# KiCad board knobby_8_layer_12_coils_60_leds_70x20_complete.kicad_pcb (continued)
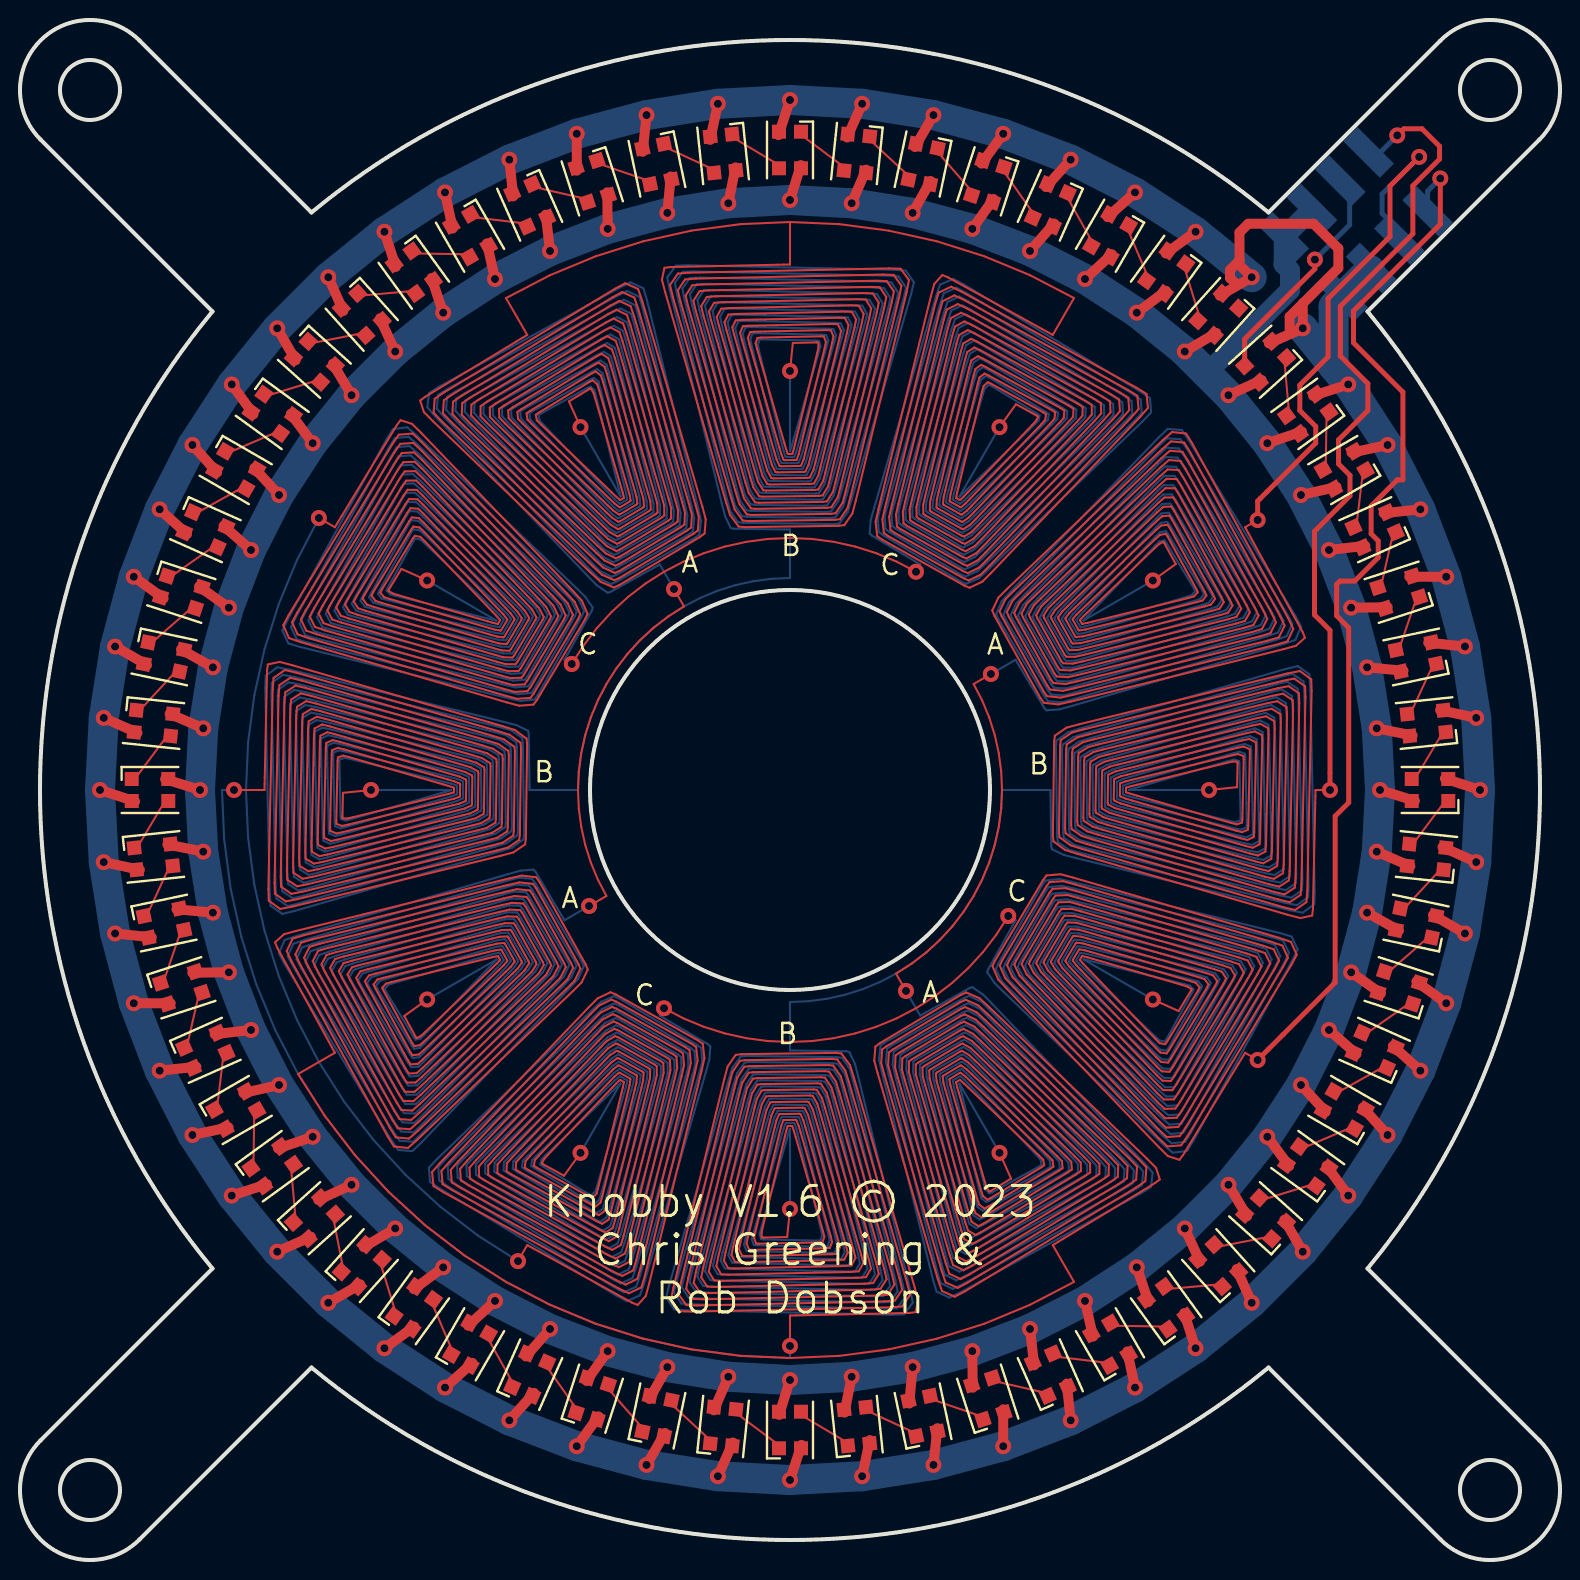
[diagram p0: board, top side]
## Routing (per net, layer and track width the routed paths; a pad name or vN(x,y) marks a point on that pad's centre or on a via; arc(x,y) is an arc through that point) (continued)
  In2.Cu w0.102: v1(38.5,59.45) 38.64,60.85 39.85,60.88 39.92,60.87 39.92,60.62 39.86,60.35 38.76,55.83 38.69,55.57 38.62,55.31 38.6,55.3 38.4,55.3 38.38,55.31 38.3,55.57 38.22,55.85 36.85,60.56 36.78,60.84 36.87,61.1 37.04,61.12 40.03,61.18 40.2,61.17 40.3,60.9 40.23,60.6 39.01,55.59 38.94,55.3 38.84,55.02 38.8,55 38.22,54.99 38.18,55.01 38.06,55.3 37.97,55.6 36.47,60.8 36.39,61.1 36.51,61.39 36.72,61.42 40.34,61.49 40.55,61.48 40.67,61.18 40.61,60.86 39.26,55.35 39.18,55.03 39.05,54.72 38.99,54.7 38.04,54.69 37.98,54.71 37.83,55.02 37.73,55.35 36.09,61.03 36,61.37 36.15,61.69 36.39,61.71 40.65,61.8 40.9,61.79 41.05,61.46 40.98,61.11 39.51,55.11 39.42,54.76 39.27,54.42 39.19,54.4 37.86,54.38 37.77,54.4 37.6,54.74 37.49,55.11 35.7,61.27 35.61,61.63 35.79,61.98 36.07,62.01 40.96,62.11 41.24,62.1 41.43,61.74 41.35,61.36 39.77,54.87 39.67,54.49 39.49,54.12 39.38,54.1 37.67,54.08 37.57,54.1 37.37,54.47 37.25,54.86 35.32,61.51 35.22,61.9 35.43,62.27 35.74,62.3 41.27,62.42 41.59,62.41 41.81,62.02 41.72,61.61 40.02,54.63 39.91,54.22 39.7,53.83 39.57,53.8 37.49,53.78 37.36,53.8 37.13,54.19 37,54.61 34.94,61.74 34.84,62.16 35.06,62.57 35.42,62.6 41.59,62.73 41.94,62.71 42.18,62.31 42.09,61.87 40.27,54.39 40.16,53.95 39.92,53.53 39.77,53.5 37.31,53.47 37.16,53.49 36.9,53.91 36.76,54.36 34.55,61.98 34.45,62.43 34.7,62.86 35.09,62.89 41.9,63.04 42.29,63.02 42.56,62.59 42.47,62.12 40.52,54.14 40.4,53.68 40.13,53.23 39.96,53.21 37.13,53.17 36.95,53.19 36.67,53.64 36.52,54.11 34.17,62.22 34.06,62.69 34.34,63.15 34.77,63.19 42.21,63.35 42.64,63.33 42.94,62.87 42.84,62.37 40.77,53.9 40.64,53.41 40.35,52.93 40.16,52.91 36.95,52.86 36.75,52.89 36.43,53.36 36.28,53.86 33.79,62.45 33.67,62.96 33.98,63.44 34.44,63.48 42.52,63.65 42.99,63.64 43.32,63.15 43.21,62.62 41.03,53.66 40.89,53.14 40.57,52.64 40.35,52.61 36.76,52.56 36.55,52.58 36.2,53.08 36.04,53.62 33.41,62.69 33.28,63.22 33.62,63.74 34.12,63.78 42.83,63.96 43.34,63.95 43.69,63.43 43.58,62.88 41.28,53.42 41.13,52.87 40.78,52.34 40.54,52.31 36.58,52.25 36.34,52.28 35.97,52.81 35.79,53.37 33.02,62.93 32.89,63.49 33.26,64.03 33.8,64.07 43.14,64.27 43.69,64.25 44.07,63.71 43.96,63.13 41.53,53.18 41.37,52.6 41,52.04 40.74,52.01 36.4,51.95 36.14,51.98 35.73,52.53 35.55,53.12 32.64,63.16 32.5,63.75 32.89,64.32 33.47,64.37 43.46,64.58 44.03,64.56 44.45,63.99 44.33,63.38 41.78,52.94 41.62,52.33 41.22,51.74 40.93,51.71 36.22,51.64 35.93,51.67 35.5,52.25 35.31,52.87 32.26,63.4 32.1,64.02 32.22,64.61 32.53,64.65 38.5,64.78 38.5,66.9 ; 38.5,66.9 40.98,66.79 43.43,66.47 45.85,65.93 48.21,65.19 50.5,64.24 52.7,63.1 51.64,61.26 46.4,64.13 46.12,64.25 45.71,63.8 45.54,63.18 42.92,52.54 42.78,51.91 42.86,51.19 43.1,51.02 47.21,48.72 47.47,48.61 48.11,48.92 48.56,49.36 55.99,57.13 56.4,57.6 56.32,58.3 55.83,58.61 47.08,63.41 46.56,63.67 45.93,63.37 45.76,62.79 43.25,52.64 43.12,52.03 43.19,51.35 43.41,51.2 47.19,49.08 47.44,48.98 48.04,49.27 48.47,49.7 55.54,57.1 55.93,57.55 55.87,58.21 55.41,58.5 47.21,63 46.72,63.23 46.13,62.94 45.97,62.39 43.59,52.73 43.46,52.16 43.52,51.51 43.72,51.37 47.17,49.44 47.4,49.34 47.96,49.63 48.37,50.03 55.09,57.07 55.46,57.49 55.41,58.12 54.98,58.39 47.34,62.58 46.89,62.8 46.34,62.52 46.18,62 43.92,52.82 43.8,52.28 43.85,51.67 44.03,51.54 47.16,49.79 47.36,49.71 47.89,49.98 48.27,50.37 54.64,57.04 54.99,57.44 54.96,58.03 54.56,58.27 47.48,62.16 47.06,62.36 46.54,62.1 46.4,61.6 44.26,52.92 44.14,52.4 44.18,51.83 44.33,51.71 47.14,50.15 47.32,50.08 47.81,50.34 48.17,50.7 54.19,57 54.53,57.38 54.5,57.93 54.14,58.16 47.61,61.74 47.22,61.93 46.75,61.67 46.61,61.2 44.59,53.01 44.48,52.53 44.51,51.99 44.64,51.89 47.12,50.5 47.28,50.44 47.73,50.69 48.07,51.04 53.75,56.97 54.06,57.33 54.04,57.84 53.71,58.05 47.75,61.33 47.39,61.49 46.95,61.25 46.82,60.81 44.93,53.1 44.82,52.65 44.83,52.15 44.95,52.06 47.1,50.86 47.24,50.81 47.66,51.05 47.98,51.37 53.3,56.94 53.59,57.27 53.59,57.75 53.29,57.94 47.88,60.91 47.56,61.06 47.16,60.82 47.04,60.41 45.26,53.2 45.16,52.77 45.16,52.31 45.26,52.23 47.08,51.22 47.2,51.17 47.58,51.41 47.88,51.71 52.85,56.91 53.12,57.22 53.13,57.66 52.86,57.83 48.01,60.49 47.72,60.63 47.36,60.4 47.25,60.01 45.59,53.29 45.5,52.9 45.49,52.48 45.57,52.41 47.06,51.57 47.17,51.54 47.5,51.76 47.78,52.04 52.4,56.87 52.66,57.16 52.68,57.56 52.44,57.72 48.15,60.07 47.89,60.19 47.57,59.98 47.46,59.62 45.93,53.39 45.84,53.02 45.82,52.64 45.88,52.58 47.05,51.93 47.13,51.9 47.43,52.12 47.68,52.38 51.95,56.84 52.19,57.11 52.22,57.47 52.01,57.61 48.28,59.65 48.06,59.76 47.77,59.55 47.68,59.22 46.26,53.48 46.18,53.14 46.15,52.8 46.19,52.75 47.03,52.28 47.09,52.27 47.35,52.47 47.58,52.71 51.5,56.81 51.72,57.05 51.76,57.38 51.59,57.49 48.41,59.24 48.22,59.32 47.98,59.13 47.89,58.83 46.6,53.57 46.52,53.26 46.48,52.96 46.5,52.92 47.01,52.64 47.05,52.64 47.28,52.83 47.49,53.05 51.05,56.78 51.25,57 51.31,57.29 51.16,57.38 48.55,58.82 48.39,58.89 48.18,58.7 48.1,58.43 46.93,53.67 46.86,53.39 46.81,53.12 46.81,53.1 46.99,53 47.01,53 47.2,53.18 47.39,53.38 50.6,56.74 50.79,56.94 50.91,57.16 50.86,57.21 49.8,57.79 v1(48.98,56.64) ; 38.5,66.9 36.02,66.79 33.57,66.47 31.15,65.93 28.79,65.19 26.5,64.24 24.3,63.1 25.36,61.26 20.25,58.16 20.01,57.97 20.2,57.4 20.64,56.94 28.55,49.35 29.03,48.91 29.69,48.62 29.95,48.74 34,51.15 34.23,51.33 34.29,52.03 34.12,52.65 31.11,62.96 30.9,63.55 30.26,63.84 29.75,63.57 21.21,58.39 20.73,58.06 20.68,57.37 21.09,56.93 28.64,49.69 29.09,49.27 29.72,48.99 29.96,49.1 33.68,51.32 33.89,51.48 33.94,52.15 33.78,52.73 30.91,62.56 30.72,63.12 30.11,63.4 29.64,63.14 21.64,58.29 21.19,57.99 21.15,57.33 21.54,56.91 28.72,50.02 29.15,49.62 29.74,49.35 29.96,49.45 33.37,51.48 33.56,51.63 33.59,52.26 33.45,52.81 30.71,62.15 30.53,62.69 29.97,62.95 29.52,62.72 22.07,58.2 21.65,57.91 21.62,57.3 21.99,56.9 28.81,50.36 29.22,49.98 29.77,49.72 29.97,49.81 33.05,51.64 33.22,51.78 33.25,52.37 33.11,52.89 30.52,61.75 30.35,62.25 29.82,62.51 29.4,62.3 22.5,58.11 22.11,57.84 22.09,57.26 22.44,56.89 28.89,50.69 29.28,50.34 29.79,50.08 29.97,50.16 32.73,51.8 32.89,51.93 32.9,52.48 32.77,52.98 30.32,61.34 30.16,61.82 29.67,62.07 29.29,61.87 22.93,58.01 22.57,57.77 22.56,57.23 22.89,56.87 28.98,51.03 29.34,50.69 29.82,50.45 29.98,50.52 32.41,51.97 32.55,52.08 32.56,52.59 32.43,53.06 30.13,60.94 29.97,61.39 29.52,61.63 29.17,61.45 23.36,57.92 23.03,57.7 23.03,57.19 23.34,56.86 29.06,51.37 29.41,51.05 29.84,50.81 29.98,50.87 32.1,52.13 32.21,52.22 32.21,52.71 32.09,53.14 29.93,60.53 29.79,60.96 29.37,61.19 29.06,61.03 23.78,57.83 23.49,57.62 23.5,57.16 23.79,56.85 29.15,51.7 29.47,51.4 29.87,51.18 29.99,51.22 31.78,52.29 31.88,52.37 31.86,52.82 31.75,53.23 29.73,60.13 29.6,60.52 29.23,60.75 28.94,60.6 24.21,57.73 23.95,57.55 23.97,57.12 24.24,56.83 29.24,52.04 29.53,51.76 29.89,51.54 29.99,51.58 31.46,52.45 31.54,52.52 31.52,52.93 31.41,53.31 29.54,59.72 29.41,60.09 29.08,60.31 28.83,60.18 24.64,57.64 24.41,57.48 24.43,57.09 24.69,56.82 29.32,52.38 29.6,52.12 29.92,51.91 30,51.93 31.14,52.62 31.21,52.67 31.17,53.04 31.07,53.39 29.34,59.32 29.23,59.66 28.93,59.87 28.71,59.76 25.07,57.55 24.87,57.41 24.9,57.05 25.14,56.81 29.41,52.71 29.66,52.47 29.94,52.27 30,52.29 30.83,52.78 30.87,52.82 30.83,53.15 30.74,53.47 29.14,58.91 29.04,59.23 28.78,59.43 28.6,59.33 25.5,57.45 25.33,57.33 25.37,57.02 25.59,56.79 29.49,53.05 29.72,52.83 29.97,52.64 30.01,52.64 30.51,52.94 30.53,52.97 30.48,53.26 30.4,53.56 28.95,58.51 28.86,58.8 28.63,58.98 28.48,58.91 25.93,57.36 25.79,57.26 25.84,56.98 26.04,56.78 29.58,53.38 29.79,53.18 29.99,53 30.02,53 30.19,53.1 30.2,53.12 30.13,53.38 30.06,53.64 28.75,58.1 28.67,58.36 28.54,58.58 28.48,58.56 27.45,57.93 v1(28.02,56.64) ; v1(20.36,48.98) 19.07,49.55 18.44,48.52 18.42,48.46 18.64,48.33 18.9,48.25 23.36,46.94 23.62,46.87 23.88,46.8 23.9,46.81 24,46.98 24,47.01 23.82,47.21 23.62,47.42 20.22,50.96 20.02,51.16 19.74,51.21 19.64,51.07 18.09,48.52 18.02,48.37 18.2,48.14 18.49,48.05 23.44,46.6 23.74,46.52 24.03,46.47 24.06,46.49 24.36,46.99 24.36,47.03 24.17,47.28 23.95,47.51 20.21,51.41 19.98,51.63 19.67,51.67 19.55,51.5 17.67,48.4 17.57,48.22 17.77,47.96 18.09,47.86 23.53,46.26 23.85,46.17 24.18,46.13 24.22,46.17 24.71,47 24.73,47.06 24.53,47.34 24.29,47.59 20.19,51.86 19.95,52.1 19.59,52.13 19.45,51.93 17.24,48.29 17.13,48.07 17.34,47.77 17.68,47.66 23.61,45.93 23.96,45.83 24.33,45.79 24.38,45.86 25.07,47 25.09,47.08 24.88,47.4 24.62,47.68 20.18,52.31 19.91,52.57 19.52,52.59 19.36,52.36 16.82,48.17 16.69,47.92 16.91,47.59 17.28,47.46 23.69,45.59 24.07,45.48 24.48,45.46 24.55,45.54 25.42,47.01 25.46,47.11 25.24,47.47 24.96,47.76 20.17,52.76 19.88,53.03 19.45,53.05 19.27,52.79 16.4,48.06 16.25,47.77 16.48,47.4 16.87,47.27 23.77,45.25 24.18,45.14 24.63,45.12 24.71,45.22 25.78,47.01 25.82,47.13 25.6,47.53 25.3,47.85 20.15,53.21 19.84,53.5 19.38,53.51 19.17,53.22 15.97,47.94 15.81,47.63 16.04,47.21 16.47,47.07 23.86,44.91 24.29,44.79 24.78,44.79 24.87,44.9 26.13,47.02 26.19,47.16 25.95,47.59 25.63,47.94 20.14,53.66 19.81,53.97 19.3,53.97 19.08,53.64 15.55,47.83 15.37,47.48 15.61,47.03 16.06,46.87 23.94,44.57 24.41,44.44 24.92,44.45 25.03,44.59 26.48,47.02 26.55,47.18 26.31,47.66 25.97,48.02 20.13,54.11 19.77,54.44 19.23,54.43 18.99,54.07 15.13,47.71 14.93,47.33 15.18,46.84 15.66,46.68 24.02,44.23 24.52,44.1 25.07,44.11 25.2,44.27 26.84,47.03 26.92,47.21 26.66,47.72 26.31,48.11 20.11,54.56 19.74,54.91 19.16,54.89 18.89,54.5 14.7,47.6 14.49,47.18 14.75,46.65 15.25,46.48 24.11,43.89 24.63,43.75 25.22,43.78 25.36,43.95 27.19,47.03 27.28,47.23 27.02,47.78 26.64,48.19 20.1,55.01 19.7,55.38 19.09,55.35 18.8,54.93 14.28,47.48 14.05,47.03 14.31,46.47 14.85,46.29 24.19,43.55 24.74,43.41 25.37,43.44 25.52,43.63 27.55,47.04 27.65,47.26 27.38,47.85 26.98,48.28 20.09,55.46 19.67,55.85 19.01,55.81 18.71,55.36 13.86,47.36 13.6,46.89 13.88,46.28 14.44,46.09 24.27,43.22 24.85,43.06 25.52,43.11 25.68,43.32 27.9,47.04 28.01,47.28 27.73,47.91 27.31,48.36 20.07,55.91 19.63,56.32 18.94,56.27 18.61,55.79 13.43,47.25 13.16,46.74 13.45,46.1 14.04,45.89 24.35,42.88 24.97,42.71 25.67,42.77 25.85,43 28.26,47.05 28.38,47.31 28.09,47.97 27.65,48.45 20.06,56.36 19.6,56.8 19.03,56.99 18.84,56.75 15.74,51.64 v1(14.94,52.1) ; v1(10.7,38.5) 12.22,38.5 12.35,44.47 12.39,44.78 12.98,44.9 13.6,44.74 24.13,41.69 24.75,41.5 25.33,41.07 25.36,40.78 25.29,36.07 25.26,35.78 24.67,35.38 24.06,35.22 13.62,32.67 13.01,32.55 12.44,32.97 12.42,33.54 12.63,43.53 12.68,44.11 13.25,44.5 13.84,44.36 23.88,41.45 24.47,41.27 25.02,40.86 25.05,40.6 24.99,36.26 24.96,36 24.4,35.63 23.82,35.47 13.87,33.04 13.29,32.93 12.75,33.31 12.73,33.86 12.93,43.2 12.97,43.74 13.51,44.11 14.07,43.98 23.63,41.21 24.19,41.03 24.72,40.66 24.75,40.42 24.69,36.46 24.66,36.22 24.13,35.87 23.58,35.72 14.12,33.42 13.57,33.31 13.05,33.66 13.04,34.17 13.22,42.88 13.26,43.38 13.78,43.72 14.31,43.59 23.38,40.96 23.92,40.8 24.42,40.45 24.44,40.24 24.39,36.65 24.36,36.43 23.86,36.11 23.34,35.97 14.38,33.79 13.85,33.68 13.36,34.01 13.35,34.48 13.52,42.56 13.56,43.02 14.04,43.33 14.55,43.21 23.14,40.72 23.64,40.57 24.11,40.25 24.14,40.05 24.09,36.84 24.07,36.65 23.59,36.36 23.1,36.23 14.63,34.16 14.13,34.06 13.67,34.36 13.65,34.79 13.81,42.23 13.85,42.66 14.31,42.94 14.78,42.83 22.89,40.48 23.36,40.33 23.81,40.05 23.83,39.87 23.79,37.04 23.77,36.87 23.32,36.6 22.86,36.48 14.88,34.53 14.41,34.44 13.98,34.71 13.96,35.1 14.11,41.91 14.14,42.3 14.57,42.55 15.02,42.45 22.64,40.24 23.09,40.1 23.51,39.84 23.53,39.69 23.5,37.23 23.47,37.08 23.05,36.84 22.61,36.73 15.13,34.91 14.69,34.82 14.29,35.06 14.27,35.41 14.4,41.58 14.43,41.94 14.84,42.16 15.26,42.06 22.39,40 22.81,39.87 23.2,39.64 23.22,39.51 23.2,37.43 23.17,37.3 22.78,37.09 22.37,36.98 15.39,35.28 14.98,35.19 14.59,35.41 14.58,35.73 14.7,41.26 14.73,41.57 15.1,41.78 15.49,41.68 22.14,39.75 22.53,39.63 22.9,39.43 22.92,39.33 22.9,37.62 22.88,37.51 22.51,37.33 22.13,37.23 15.64,35.65 15.26,35.57 14.9,35.76 14.89,36.04 14.99,40.93 15.02,41.21 15.37,41.39 15.73,41.3 21.89,39.51 22.26,39.4 22.6,39.23 22.62,39.14 22.6,37.81 22.58,37.73 22.24,37.58 21.89,37.49 15.89,36.02 15.54,35.95 15.21,36.1 15.2,36.35 15.29,40.61 15.31,40.85 15.63,41 15.97,40.91 21.65,39.27 21.98,39.17 22.29,39.02 22.31,38.96 22.3,38.01 22.28,37.95 21.97,37.82 21.65,37.74 16.14,36.39 15.82,36.33 15.52,36.45 15.51,36.66 15.58,40.28 15.61,40.49 15.9,40.61 16.2,40.53 21.4,39.03 21.7,38.94 21.99,38.82 22.01,38.78 22,38.2 21.98,38.16 21.7,38.06 21.41,37.99 16.4,36.77 16.1,36.7 15.83,36.8 15.82,36.97 15.88,39.96 15.9,40.13 16.16,40.22 16.44,40.15 21.15,38.78 21.43,38.7 21.69,38.62 21.7,38.6 21.7,38.4 21.69,38.38 21.43,38.31 21.17,38.24 16.65,37.14 16.38,37.08 16.13,37.08 16.12,37.15 16.15,38.36 v1(17.55,38.5) ; v1(20.36,28.03) 19.21,27.2 19.79,26.14 19.84,26.09 20.06,26.21 20.26,26.4 23.62,29.61 23.82,29.8 24,29.99 24,30.01 23.9,30.19 23.88,30.19 23.61,30.14 23.33,30.07 18.57,28.9 18.3,28.82 18.11,28.61 18.18,28.45 19.62,25.84 19.71,25.69 20,25.75 20.22,25.95 23.95,29.51 24.17,29.72 24.36,29.95 24.36,29.99 24.08,30.5 24.04,30.52 23.74,30.48 23.43,30.4 18.17,29.11 17.87,29.02 17.68,28.78 17.76,28.59 19.51,25.41 19.62,25.24 19.95,25.28 20.19,25.5 24.29,29.42 24.53,29.65 24.73,29.91 24.72,29.97 24.25,30.81 24.2,30.85 23.86,30.82 23.52,30.74 17.78,29.32 17.45,29.23 17.24,28.94 17.35,28.72 19.39,24.99 19.53,24.78 19.89,24.81 20.16,25.05 24.62,29.32 24.88,29.57 25.1,29.87 25.07,29.95 24.42,31.12 24.36,31.18 23.98,31.16 23.61,31.07 17.38,29.54 17.02,29.43 16.81,29.11 16.93,28.85 19.28,24.56 19.44,24.32 19.84,24.34 20.13,24.6 24.96,29.22 25.24,29.5 25.46,29.83 25.43,29.94 24.59,31.43 24.52,31.51 24.1,31.5 23.71,31.41 16.99,29.75 16.6,29.64 16.37,29.28 16.51,28.99 19.17,24.14 19.34,23.87 19.78,23.88 20.09,24.15 25.29,29.12 25.59,29.42 25.83,29.8 25.78,29.92 24.77,31.74 24.69,31.84 24.23,31.84 23.8,31.74 16.59,29.96 16.18,29.84 15.94,29.44 16.09,29.12 19.06,23.71 19.25,23.41 19.73,23.41 20.06,23.7 25.63,29.02 25.95,29.34 26.19,29.76 26.14,29.9 24.94,32.05 24.85,32.17 24.35,32.18 23.9,32.07 16.19,30.18 15.75,30.05 15.51,29.61 15.67,29.25 18.95,23.29 19.16,22.96 19.67,22.94 20.03,23.25 25.96,28.93 26.31,29.27 26.56,29.72 26.5,29.88 25.11,32.36 25.01,32.49 24.47,32.52 23.99,32.41 15.8,30.39 15.33,30.25 15.07,29.78 15.26,29.39 18.84,22.86 19.07,22.5 19.62,22.47 20,22.81 26.3,28.83 26.66,29.19 26.92,29.68 26.85,29.86 25.29,32.67 25.17,32.82 24.6,32.86 24.08,32.74 15.4,30.6 14.9,30.46 14.64,29.94 14.84,29.52 18.73,22.44 18.97,22.04 19.56,22.01 19.96,22.36 26.63,28.73 27.02,29.11 27.29,29.64 27.21,29.84 25.46,32.97 25.33,33.15 24.72,33.2 24.18,33.08 15,30.82 14.48,30.66 14.2,30.11 14.42,29.66 18.61,22.02 18.88,21.59 19.51,21.54 19.93,21.91 26.97,28.63 27.37,29.04 27.66,29.6 27.56,29.83 25.63,33.28 25.49,33.48 24.84,33.54 24.27,33.41 14.61,31.03 14.06,30.87 13.77,30.28 14,29.79 18.5,21.59 18.79,21.13 19.45,21.07 19.9,21.46 27.3,28.53 27.73,28.96 28.02,29.56 27.92,29.81 25.8,33.59 25.65,33.81 24.97,33.88 24.36,33.75 14.21,31.24 13.63,31.07 13.33,30.44 13.59,29.92 18.39,21.17 18.7,20.68 19.4,20.6 19.87,21.01 27.64,28.44 28.08,28.89 28.39,29.53 28.28,29.79 25.98,33.9 25.81,34.14 25.09,34.22 24.46,34.08 13.82,31.46 13.2,31.29 12.75,30.88 12.87,30.6 15.74,25.36 13.9,24.3 15.24,22.21 16.74,20.24 18.42,18.42 20.24,16.74 22.21,15.24 24.3,13.9 26.5,12.76 28.79,11.81 31.15,11.07 33.57,10.53 36.02,10.21 38.5,10.1 40.98,10.21 43.43,10.53 45.85,11.07 48.21,11.81 50.5,12.76 52.7,13.9 51.64,15.74 56.75,18.84 56.99,19.03 56.8,19.6 56.36,20.06 48.45,27.65 47.97,28.09 47.31,28.38 47.05,28.26 43,25.85 42.77,25.67 42.71,24.97 42.88,24.35 45.89,14.04 46.1,13.45 46.74,13.16 47.25,13.43 55.79,18.61 56.27,18.94 56.32,19.63 55.91,20.07 48.36,27.31 47.91,27.73 47.28,28.01 47.04,27.9 43.32,25.68 43.11,25.52 43.06,24.85 43.22,24.27 46.09,14.44 46.28,13.88 46.89,13.6 47.36,13.86 55.36,18.71 55.81,19.01 55.85,19.67 55.46,20.09 48.28,26.98 47.85,27.38 47.26,27.65 47.04,27.55 43.63,25.52 43.44,25.37 43.41,24.74 43.55,24.19 46.29,14.85 46.47,14.31 47.03,14.05 47.48,14.28 54.93,18.8 55.35,19.09 55.38,19.7 55.01,20.1 48.19,26.64 47.78,27.02 47.23,27.28 47.03,27.19 43.95,25.36 43.78,25.22 43.75,24.63 43.89,24.11 46.48,15.25 46.65,14.75 47.18,14.49 47.6,14.7 54.5,18.89 54.89,19.16 54.91,19.74 54.56,20.11 48.11,26.31 47.72,26.66 47.21,26.92 47.03,26.84 44.27,25.2 44.11,25.07 44.1,24.52 44.23,24.02 46.68,15.66 46.84,15.18 47.33,14.93 47.71,15.13 54.07,18.99 54.43,19.23 54.44,19.77 54.11,20.13 48.02,25.97 47.66,26.31 47.18,26.55 47.02,26.48 44.59,25.03 44.45,24.92 44.44,24.41 44.57,23.94 46.87,16.06 47.03,15.61 47.48,15.37 47.83,15.55 53.64,19.08 53.97,19.3 53.97,19.81 53.66,20.14 47.94,25.63 47.59,25.95 47.16,26.19 47.02,26.13 44.9,24.87 44.79,24.78 44.79,24.29 44.91,23.86 47.07,16.47 47.21,16.04 47.63,15.81 47.94,15.97 53.22,19.17 53.51,19.38 53.5,19.84 53.21,20.15 47.85,25.3 47.53,25.6 47.13,25.82 47.01,25.78 45.22,24.71 45.12,24.63 45.14,24.18 45.25,23.77 47.27,16.87 47.4,16.48 47.77,16.25 48.06,16.4 52.79,19.27 53.05,19.45 53.03,19.88 52.76,20.17 47.76,24.96 47.47,25.24 47.11,25.46 47.01,25.42 45.54,24.55 45.46,24.48 45.48,24.07 45.59,23.69 47.46,17.28 47.59,16.91 47.92,16.69 48.17,16.82 52.36,19.36 52.59,19.52 52.57,19.91 52.31,20.18 47.68,24.62 47.4,24.88 47.08,25.09 47,25.07 45.86,24.38 45.79,24.33 45.83,23.96 45.93,23.61 47.66,17.68 47.77,17.34 48.07,17.13 48.29,17.24 51.93,19.45 52.13,19.59 52.1,19.95 51.86,20.19 47.59,24.29 47.34,24.53 47.06,24.73 47,24.71 46.17,24.22 46.13,24.18 46.17,23.85 46.26,23.53 47.86,18.09 47.96,17.77 48.22,17.57 48.4,17.67 51.5,19.55 51.67,19.67 51.63,19.98 51.41,20.21 47.51,23.95 47.28,24.17 47.03,24.36 46.99,24.36 46.49,24.06 46.47,24.03 46.52,23.74 46.6,23.44 48.05,18.49 48.14,18.2 48.37,18.02 48.52,18.09 51.07,19.64 51.21,19.74 51.16,20.02 50.96,20.22 47.42,23.62 47.21,23.82 47.01,24 46.98,24 46.81,23.9 46.8,23.88 46.87,23.62 46.94,23.36 48.25,18.9 48.33,18.64 48.46,18.42 48.52,18.44 49.55,19.07 v1(48.98,20.36) ; v1(28.45,32.7) 29.32,33.2 28.89,34.02 28.54,34.87 28.26,35.76 28.06,36.66 27.94,37.58 27.9,38.5 27.94,39.42 28.06,40.34 28.26,41.24 28.54,42.13 28.89,42.98 29.32,43.8 29.82,44.58 30.38,45.31 31,46 31.69,46.62 32.42,47.18 33.2,47.68 v1(32.7,48.55) ; v1(56.64,28.03) 57.93,27.45 58.56,28.48 58.58,28.54 58.36,28.67 58.1,28.75 53.64,30.06 53.38,30.13 53.12,30.2 53.1,30.19 53,30.02 53,29.99 53.18,29.79 53.38,29.58 56.78,26.04 56.98,25.84 57.26,25.79 57.36,25.93 58.91,28.48 58.98,28.63 58.8,28.86 58.51,28.95 53.56,30.4 53.26,30.48 52.97,30.53 52.94,30.51 52.64,30.01 52.64,29.97 52.83,29.72 53.05,29.49 56.79,25.59 57.02,25.37 57.33,25.33 57.45,25.5 59.33,28.6 59.43,28.78 59.23,29.04 58.91,29.14 53.47,30.74 53.15,30.83 52.82,30.87 52.78,30.83 52.29,30 52.27,29.94 52.47,29.66 52.71,29.41 56.81,25.14 57.05,24.9 57.41,24.87 57.55,25.07 59.76,28.71 59.87,28.93 59.66,29.23 59.32,29.34 53.39,31.07 53.04,31.17 52.67,31.21 52.62,31.14 51.93,30 51.91,29.92 52.12,29.6 52.38,29.32 56.82,24.69 57.09,24.43 57.48,24.41 57.64,24.64 60.18,28.83 60.31,29.08 60.09,29.41 59.72,29.54 53.31,31.41 52.93,31.52 52.52,31.54 52.45,31.46 51.58,29.99 51.54,29.89 51.76,29.53 52.04,29.24 56.83,24.24 57.12,23.97 57.55,23.95 57.73,24.21 60.6,28.94 60.75,29.23 60.52,29.6 60.13,29.73 53.23,31.75 52.82,31.86 52.37,31.88 52.29,31.78 51.22,29.99 51.18,29.87 51.4,29.47 51.7,29.15 56.85,23.79 57.16,23.5 57.62,23.49 57.83,23.78 61.03,29.06 61.19,29.37 60.96,29.79 60.53,29.93 53.14,32.09 52.71,32.21 52.22,32.21 52.13,32.1 50.87,29.98 50.81,29.84 51.05,29.41 51.37,29.06 56.86,23.34 57.19,23.03 57.7,23.03 57.92,23.36 61.45,29.17 61.63,29.52 61.39,29.97 60.94,30.13 53.06,32.43 52.59,32.56 52.08,32.55 51.97,32.41 50.52,29.98 50.45,29.82 50.69,29.34 51.03,28.98 56.87,22.89 57.23,22.56 57.77,22.57 58.01,22.93 61.87,29.29 62.07,29.67 61.82,30.16 61.34,30.32 52.98,32.77 52.48,32.9 51.93,32.89 51.8,32.73 50.16,29.97 50.08,29.79 50.34,29.28 50.69,28.89 56.89,22.44 57.26,22.09 57.84,22.11 58.11,22.5 62.3,29.4 62.51,29.82 62.25,30.35 61.75,30.52 52.89,33.11 52.37,33.25 51.78,33.22 51.64,33.05 49.81,29.97 49.72,29.77 49.98,29.22 50.36,28.81 56.9,21.99 57.3,21.62 57.91,21.65 58.2,22.07 62.72,29.52 62.95,29.97 62.69,30.53 62.15,30.71 52.81,33.45 52.26,33.59 51.63,33.56 51.48,33.37 49.45,29.96 49.35,29.74 49.62,29.15 50.02,28.72 56.91,21.54 57.33,21.15 57.99,21.19 58.29,21.64 63.14,29.64 63.4,30.11 63.12,30.72 62.56,30.91 52.73,33.78 52.15,33.94 51.48,33.89 51.32,33.68 49.1,29.96 48.99,29.72 49.27,29.09 49.69,28.64 56.93,21.09 57.37,20.68 58.06,20.73 58.39,21.21 63.57,29.75 63.84,30.26 63.55,30.9 62.96,31.11 52.65,34.12 52.03,34.29 51.33,34.23 51.15,34 48.74,29.95 48.62,29.69 48.91,29.03 49.35,28.55 56.94,20.64 57.4,20.2 57.97,20.01 58.16,20.25 61.26,25.36 v1(61.88,25) ; v1(48.55,44.3) 47.68,43.8 48.11,42.98 48.46,42.13 48.74,41.24 48.94,40.34 49.06,39.42 49.1,38.5 49.06,37.58 48.94,36.66 48.74,35.76 48.46,34.87 48.11,34.02 47.68,33.2 47.18,32.42 46.62,31.69 46,31 45.31,30.38 44.58,29.82 43.8,29.32 v1(44.3,28.45) ; v1(38.5,17.55) 38.36,16.15 37.15,16.12 37.08,16.13 37.08,16.38 37.14,16.65 38.24,21.17 38.31,21.43 38.38,21.69 38.4,21.7 38.6,21.7 38.62,21.69 38.7,21.43 38.78,21.15 40.15,16.44 40.22,16.16 40.13,15.9 39.96,15.88 36.97,15.82 36.8,15.83 36.7,16.1 36.77,16.4 37.99,21.41 38.06,21.7 38.16,21.98 38.2,22 38.78,22.01 38.82,21.99 38.94,21.7 39.03,21.4 40.53,16.2 40.61,15.9 40.49,15.61 40.28,15.58 36.66,15.51 36.45,15.52 36.33,15.82 36.39,16.14 37.74,21.65 37.82,21.97 37.95,22.28 38.01,22.3 38.96,22.31 39.02,22.29 39.17,21.98 39.27,21.65 40.91,15.97 41,15.63 40.85,15.31 40.61,15.29 36.35,15.2 36.1,15.21 35.95,15.54 36.02,15.89 37.49,21.89 37.58,22.24 37.73,22.58 37.81,22.6 39.14,22.62 39.23,22.6 39.4,22.26 39.51,21.89 41.3,15.73 41.39,15.37 41.21,15.02 40.93,14.99 36.04,14.89 35.76,14.9 35.57,15.26 35.65,15.64 37.23,22.13 37.33,22.51 37.51,22.88 37.62,22.9 39.33,22.92 39.43,22.9 39.63,22.53 39.75,22.14 41.68,15.49 41.78,15.1 41.57,14.73 41.26,14.7 35.73,14.58 35.41,14.59 35.19,14.98 35.28,15.39 36.98,22.37 37.09,22.78 37.3,23.17 37.43,23.2 39.51,23.22 39.64,23.2 39.87,22.81 40,22.39 42.06,15.26 42.16,14.84 41.94,14.43 41.58,14.4 35.41,14.27 35.06,14.29 34.82,14.69 34.91,15.13 36.73,22.61 36.84,23.05 37.08,23.47 37.23,23.5 39.69,23.53 39.84,23.51 40.1,23.09 40.24,22.64 42.45,15.02 42.55,14.57 42.3,14.14 41.91,14.11 35.1,13.96 34.71,13.98 34.44,14.41 34.53,14.88 36.48,22.86 36.6,23.32 36.87,23.77 37.04,23.79 39.87,23.83 40.05,23.81 40.33,23.36 40.48,22.89 42.83,14.78 42.94,14.31 42.66,13.85 42.23,13.81 34.79,13.65 34.36,13.67 34.06,14.13 34.16,14.63 36.23,23.1 36.36,23.59 36.65,24.07 36.84,24.09 40.05,24.14 40.25,24.11 40.57,23.64 40.72,23.14 43.21,14.55 43.33,14.04 43.02,13.56 42.56,13.52 34.48,13.35 34.01,13.36 33.68,13.85 33.79,14.38 35.97,23.34 36.11,23.86 36.43,24.36 36.65,24.39 40.24,24.44 40.45,24.42 40.8,23.92 40.96,23.38 43.59,14.31 43.72,13.78 43.38,13.26 42.88,13.22 34.17,13.04 33.66,13.05 33.31,13.57 33.42,14.12 35.72,23.58 35.87,24.13 36.22,24.66 36.46,24.69 40.42,24.75 40.66,24.72 41.03,24.19 41.21,23.63 43.98,14.07 44.11,13.51 43.74,12.97 43.2,12.93 33.86,12.73 33.31,12.75 32.93,13.29 33.04,13.87 35.47,23.82 35.63,24.4 36,24.96 36.26,24.99 40.6,25.05 40.86,25.02 41.27,24.47 41.45,23.88 44.36,13.84 44.5,13.25 44.11,12.68 43.53,12.63 33.54,12.42 32.97,12.44 32.55,13.01 32.67,13.62 35.22,24.06 35.38,24.67 35.78,25.26 36.07,25.29 40.78,25.36 41.07,25.33 41.5,24.75 41.69,24.13 44.74,13.6 44.9,12.98 44.78,12.39 44.47,12.35 38.5,12.22 v1(38.5,10.7) ; v1(49.41,32.2) 48.82,31.27 48.15,30.4 47.41,29.59 46.6,28.85 45.73,28.18 44.8,27.59 43.82,27.08 42.81,26.66 41.76,26.33 40.69,26.09 39.6,25.95 38.5,25.9 37.4,25.95 36.31,26.09 35.24,26.33 34.19,26.66 33.18,27.08 v1(32.2,27.59) ; v1(28.03,20.36) 27.2,19.21 26.14,19.79 26.09,19.84 26.21,20.06 26.4,20.26 29.61,23.62 29.8,23.82 29.99,24 30.01,24 30.19,23.9 30.19,23.88 30.14,23.61 30.07,23.33 28.9,18.57 28.82,18.3 28.61,18.11 28.45,18.18 25.84,19.62 25.69,19.71 25.75,20 25.95,20.22 29.51,23.95 29.72,24.17 29.95,24.36 29.99,24.36 30.5,24.08 30.52,24.04 30.48,23.74 30.4,23.43 29.11,18.17 29.02,17.87 28.78,17.68 28.59,17.76 25.41,19.51 25.24,19.62 25.28,19.95 25.5,20.19 29.42,24.29 29.65,24.53 29.91,24.73 29.97,24.72 30.81,24.25 30.85,24.2 30.82,23.86 30.74,23.52 29.32,17.78 29.23,17.45 28.94,17.24 28.72,17.35 24.99,19.39 24.78,19.53 24.81,19.89 25.05,20.16 29.32,24.62 29.57,24.88 29.87,25.1 29.95,25.07 31.12,24.42 31.18,24.36 31.16,23.98 31.07,23.61 29.54,17.38 29.43,17.02 29.11,16.81 28.85,16.93 24.56,19.28 24.32,19.44 24.34,19.84 24.6,20.13 29.22,24.96 29.5,25.24 29.83,25.46 29.94,25.43 31.43,24.59 31.51,24.52 31.5,24.1 31.41,23.71 29.75,16.99 29.64,16.6 29.28,16.37 28.99,16.51 24.14,19.17 23.87,19.34 23.88,19.78 24.15,20.09 29.12,25.29 29.42,25.59 29.8,25.83 29.92,25.78 31.74,24.77 31.84,24.69 31.84,24.23 31.74,23.8 29.96,16.59 29.84,16.18 29.44,15.94 29.12,16.09 23.71,19.06 23.41,19.25 23.41,19.73 23.7,20.06 29.02,25.63 29.34,25.95 29.76,26.19 29.9,26.14 32.05,24.94 32.17,24.85 32.18,24.35 32.07,23.9 30.18,16.19 30.05,15.75 29.61,15.51 29.25,15.67 23.29,18.95 22.96,19.16 22.94,19.67 23.25,20.03 28.93,25.96 29.27,26.31 29.72,26.56 29.88,26.5 32.36,25.11 32.49,25.01 32.52,24.47 32.41,23.99 30.39,15.8 30.25,15.33 29.78,15.07 29.39,15.26 22.86,18.84 22.5,19.07 22.47,19.62 22.81,20 28.83,26.3 29.19,26.66 29.68,26.92 29.86,26.85 32.67,25.29 32.82,25.17 32.86,24.6 32.74,24.08 30.6,15.4 30.46,14.9 29.94,14.64 29.52,14.84 22.44,18.73 22.04,18.97 22.01,19.56 22.36,19.96 28.73,26.63 29.11,27.02 29.64,27.29 29.84,27.21 32.97,25.46 33.15,25.33 33.2,24.72 33.08,24.18 30.82,15 30.66,14.48 30.11,14.2 29.66,14.42 22.02,18.61 21.59,18.88 21.54,19.51 21.91,19.93 28.63,26.97 29.04,27.37 29.6,27.66 29.83,27.56 33.28,25.63 33.48,25.49 33.54,24.84 33.41,24.27 31.03,14.61 30.87,14.06 30.28,13.77 29.79,14 21.59,18.5 21.13,18.79 21.07,19.45 21.46,19.9 28.53,27.3 28.96,27.73 29.56,28.02 29.81,27.92 33.59,25.8 33.81,25.65 33.88,24.97 33.75,24.36 31.24,14.21 31.07,13.63 30.44,13.33 29.92,13.59 21.17,18.39 20.68,18.7 20.6,19.4 21.01,19.87 28.44,27.64 28.89,28.08 29.53,28.39 29.79,28.28 33.9,25.98 34.14,25.81 34.22,25.09 34.08,24.46 31.46,13.82 31.29,13.2 30.88,12.75 30.6,12.87 25.36,15.74 v1(24.9,14.94) ; v1(44.8,49.41) 43.82,49.92 42.81,50.34 41.76,50.67 40.69,50.91 39.6,51.05 38.5,51.1 37.4,51.05 36.31,50.91 35.24,50.67 34.19,50.34 33.18,49.92 32.2,49.41 31.27,48.82 30.4,48.15 29.59,47.41 28.85,46.6 28.18,45.73 v1(27.59,44.8) ; v1(56.64,48.98) 57.79,49.8 57.21,50.86 57.16,50.91 56.94,50.79 56.74,50.6 53.38,47.39 53.18,47.2 53,47.01 53,46.99 53.1,46.81 53.12,46.81 53.39,46.86 53.67,46.93 58.43,48.1 58.7,48.18 58.89,48.39 58.82,48.55 57.38,51.16 57.29,51.31 57,51.25 56.78,51.05 53.05,47.49 52.83,47.28 52.64,47.05 52.64,47.01 52.92,46.5 52.96,46.48 53.26,46.52 53.57,46.6 58.83,47.89 59.13,47.98 59.32,48.22 59.24,48.41 57.49,51.59 57.38,51.76 57.05,51.72 56.81,51.5 52.71,47.58 52.47,47.35 52.27,47.09 52.28,47.03 52.75,46.19 52.8,46.15 53.14,46.18 53.48,46.26 59.22,47.68 59.55,47.77 59.76,48.06 59.65,48.28 57.61,52.01 57.47,52.22 57.11,52.19 56.84,51.95 52.38,47.68 52.12,47.43 51.9,47.13 51.93,47.05 52.58,45.88 52.64,45.82 53.02,45.84 53.39,45.93 59.62,47.46 59.98,47.57 60.19,47.89 60.07,48.15 57.72,52.44 57.56,52.68 57.16,52.66 56.87,52.4 52.04,47.78 51.76,47.5 51.54,47.17 51.57,47.06 52.41,45.57 52.48,45.49 52.9,45.5 53.29,45.59 60.01,47.25 60.4,47.36 60.63,47.72 60.49,48.01 57.83,52.86 57.66,53.13 57.22,53.12 56.91,52.85 51.71,47.88 51.41,47.58 51.17,47.2 51.22,47.08 52.23,45.26 52.31,45.16 52.77,45.16 53.2,45.26 60.41,47.04 60.82,47.16 61.06,47.56 60.91,47.88 57.94,53.29 57.75,53.59 57.27,53.59 56.94,53.3 51.37,47.98 51.05,47.66 50.81,47.24 50.86,47.1 52.06,44.95 52.15,44.83 52.65,44.82 53.1,44.93 60.81,46.82 61.25,46.95 61.49,47.39 61.33,47.75 58.05,53.71 57.84,54.04 57.33,54.06 56.97,53.75 51.04,48.07 50.69,47.73 50.44,47.28 50.5,47.12 51.89,44.64 51.99,44.51 52.53,44.48 53.01,44.59 61.2,46.61 61.67,46.75 61.93,47.22 61.74,47.61 58.16,54.14 57.93,54.5 57.38,54.53 57,54.19 50.7,48.17 50.34,47.81 50.08,47.32 50.15,47.14 51.71,44.33 51.83,44.18 52.4,44.14 52.92,44.26 61.6,46.4 62.1,46.54 62.36,47.06 62.16,47.48 58.27,54.56 58.03,54.96 57.44,54.99 57.04,54.64 50.37,48.27 49.98,47.89 49.71,47.36 49.79,47.16 51.54,44.03 51.67,43.85 52.28,43.8 52.82,43.92 62,46.18 62.52,46.34 62.8,46.89 62.58,47.34 58.39,54.98 58.12,55.41 57.49,55.46 57.07,55.09 50.03,48.37 49.63,47.96 49.34,47.4 49.44,47.17 51.37,43.72 51.51,43.52 52.16,43.46 52.73,43.59 62.39,45.97 62.94,46.13 63.23,46.72 63,47.21 58.5,55.41 58.21,55.87 57.55,55.93 57.1,55.54 49.7,48.47 49.27,48.04 48.98,47.44 49.08,47.19 51.2,43.41 51.35,43.19 52.03,43.12 52.64,43.25 62.79,45.76 63.37,45.93 63.67,46.56 63.41,47.08 58.61,55.83 58.3,56.32 57.6,56.4 57.13,55.99 49.36,48.56 48.92,48.11 48.61,47.47 48.72,47.21 51.02,43.1 51.19,42.86 51.91,42.78 52.54,42.92 63.18,45.54 63.8,45.71 64.25,46.12 64.13,46.4 61.26,51.64 v1(61.88,52) ; v1(59.45,38.5) 60.85,38.64 60.88,39.85 60.87,39.92 60.62,39.92 60.35,39.86 55.83,38.76 55.57,38.69 55.31,38.62 55.3,38.6 55.3,38.4 55.31,38.38 55.57,38.3 55.85,38.22 60.56,36.85 60.84,36.78 61.1,36.87 61.12,37.04 61.18,40.03 61.17,40.2 60.9,40.3 60.6,40.23 55.59,39.01 55.3,38.94 55.02,38.84 55,38.8 54.99,38.22 55.01,38.18 55.3,38.06 55.6,37.97 60.8,36.47 61.1,36.39 61.39,36.51 61.42,36.72 61.49,40.34 61.48,40.55 61.18,40.67 60.86,40.61 55.35,39.26 55.03,39.18 54.72,39.05 54.7,38.99 54.69,38.04 54.71,37.98 55.02,37.83 55.35,37.73 61.03,36.09 61.37,36 61.69,36.15 61.71,36.39 61.8,40.65 61.79,40.9 61.46,41.05 61.11,40.98 55.11,39.51 54.76,39.42 54.42,39.27 54.4,39.19 54.38,37.86 54.4,37.77 54.74,37.6 55.11,37.49 61.27,35.7 61.63,35.61 61.98,35.79 62.01,36.07 62.11,40.96 62.1,41.24 61.74,41.43 61.36,41.35 54.87,39.77 54.49,39.67 54.12,39.49 54.1,39.38 54.08,37.67 54.1,37.57 54.47,37.37 54.86,37.25 61.51,35.32 61.9,35.22 62.27,35.43 62.3,35.74 62.42,41.27 62.41,41.59 62.02,41.81 61.61,41.72 54.63,40.02 54.22,39.91 53.83,39.7 53.8,39.57 53.78,37.49 53.8,37.36 54.19,37.13 54.61,37 61.74,34.94 62.16,34.84 62.57,35.06 62.6,35.42 62.73,41.59 62.71,41.94 62.31,42.18 61.87,42.09 54.39,40.27 53.95,40.16 53.53,39.92 53.5,39.77 53.47,37.31 53.49,37.16 53.91,36.9 54.36,36.76 61.98,34.55 62.43,34.45 62.86,34.7 62.89,35.09 63.04,41.9 63.02,42.29 62.59,42.56 62.12,42.47 54.14,40.52 53.68,40.4 53.23,40.13 53.21,39.96 53.17,37.13 53.19,36.95 53.64,36.67 54.11,36.52 62.22,34.17 62.69,34.06 63.15,34.34 63.19,34.77 63.35,42.21 63.33,42.64 62.87,42.94 62.37,42.84 53.9,40.77 53.41,40.64 52.93,40.35 52.91,40.16 52.86,36.95 52.89,36.75 53.36,36.43 53.86,36.28 62.45,33.79 62.96,33.67 63.44,33.98 63.48,34.44 63.65,42.52 63.64,42.99 63.15,43.32 62.62,43.21 53.66,41.03 53.14,40.89 52.64,40.57 52.61,40.35 52.56,36.76 52.58,36.55 53.08,36.2 53.62,36.04 62.69,33.41 63.22,33.28 63.74,33.62 63.78,34.12 63.96,42.83 63.95,43.34 63.43,43.69 62.88,43.58 53.42,41.28 52.87,41.13 52.34,40.78 52.31,40.54 52.25,36.58 52.28,36.34 52.81,35.97 53.37,35.79 62.93,33.02 63.49,32.89 64.03,33.26 64.07,33.8 64.27,43.14 64.25,43.69 63.71,44.07 63.13,43.96 53.18,41.53 52.6,41.37 52.04,41 52.01,40.74 51.95,36.4 51.98,36.14 52.53,35.73 53.12,35.55 63.16,32.64 63.75,32.5 64.32,32.89 64.37,33.47 64.58,43.46 64.56,44.03 63.99,44.45 63.38,44.33 52.94,41.78 52.33,41.62 51.74,41.22 51.71,40.93 51.64,36.22 51.67,35.93 52.25,35.5 52.87,35.31 63.4,32.26 64.02,32.1 64.61,32.22 64.65,32.53 64.78,38.5 v1(65.5,38.5)